# Altium PCB Fumsat Ekteshafi PCB.PcbDoc (part 1 of 2)
Units mm, origin at the board's own origin, x right, y up, seen from the top; angles counter-clockwise.
Board outline 60.2 x 90.04 mm, 2 copper layers (Top Layer, Bottom Layer), stack 1.671 mm thick; 122 components, 180 nets, 669 pads, 158 vias.
Unrouted connection lines stored in the file: 251.
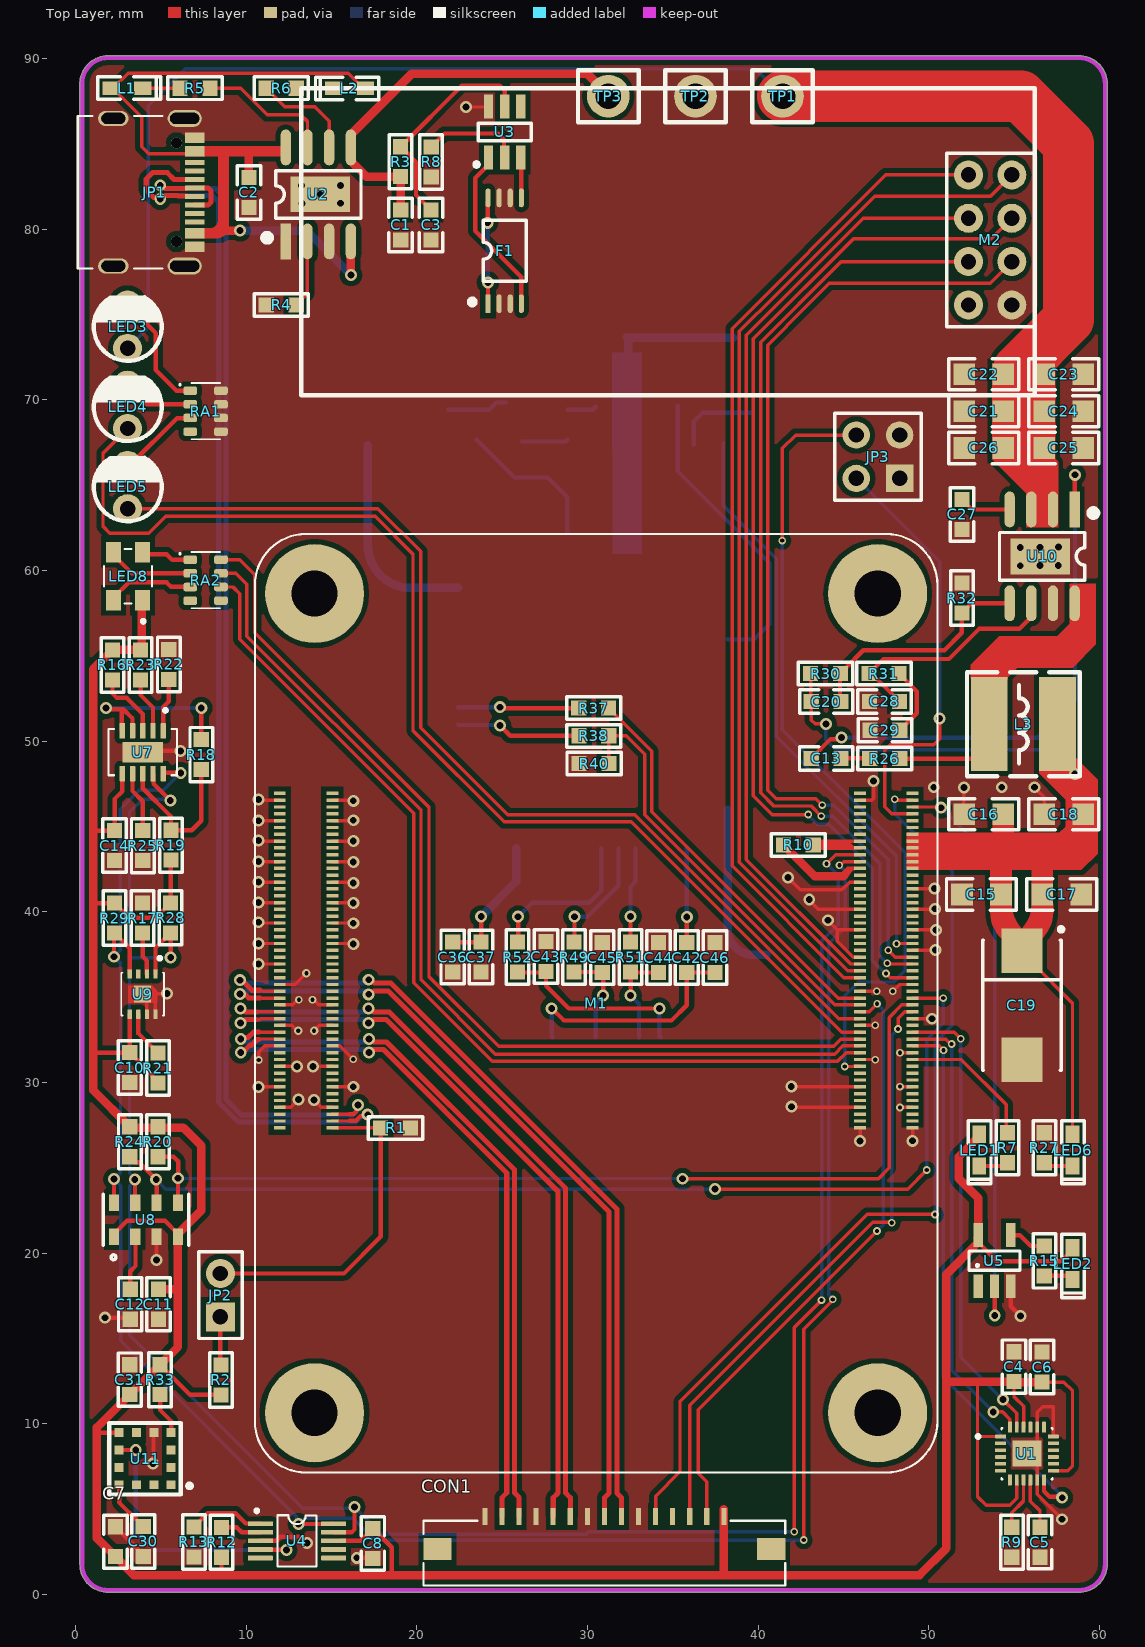
[diagram p0: Top Layer view]
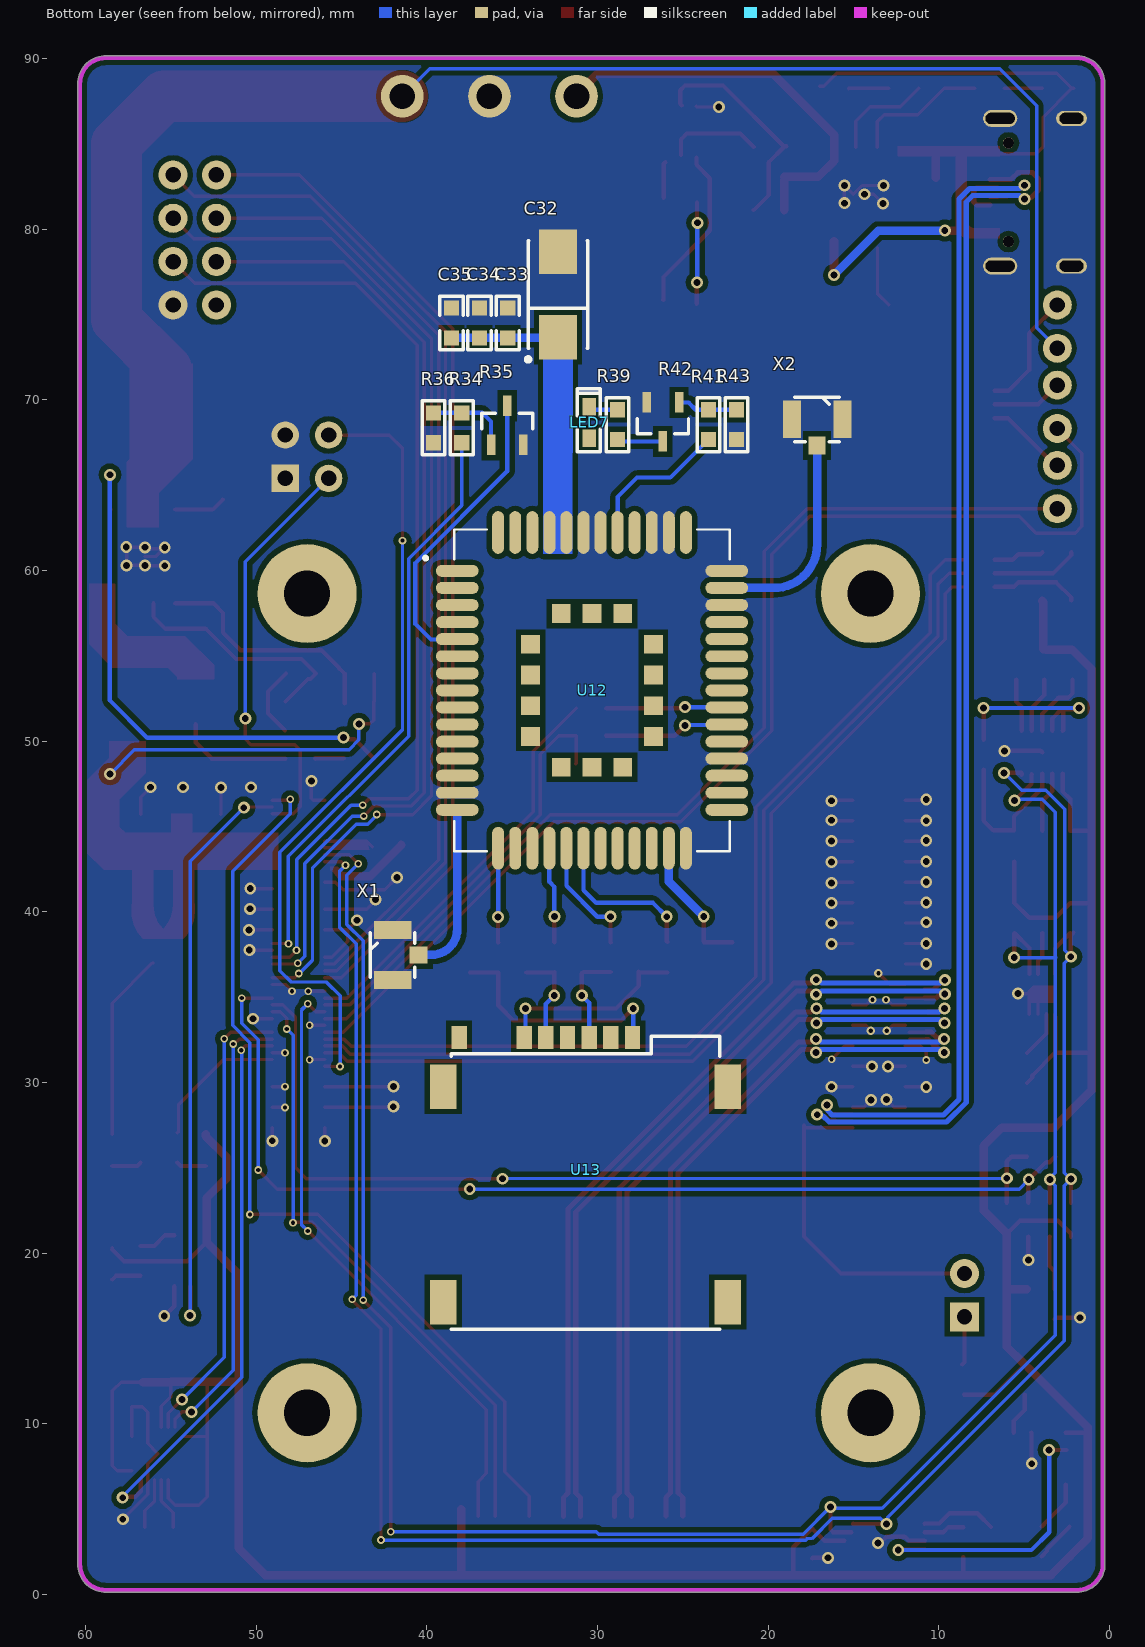
[diagram p1: Bottom Layer view, seen from below]

## Layer stack, top to bottom
Top Solder: solder mask 0.0102, Solder Resist, Dk 3.5
Top Layer: signal copper 0.0356
Dielectric 1: dielectric 1.6, FR-4, Dk 4.8
Bottom Layer: signal copper 0.0356
Bottom Solder: solder mask 0.0102, Solder Resist, Dk 3.5

## Board outline
0.254,1.778 0.254,88.646 0.263,88.694 cw(c1.905,88.519) 1.73,90.161 1.778,90.17 58.801,90.17 cw(c58.801,88.519) 60.452,88.519 60.452,1.778 cw(c58.801,1.778) 58.801,0.127 1.905,0.127 cw(c1.905,1.778)

## Design rules (kind name [scope] priority, off if disabled: settings)
Clearance Clearance_1 [InNamedPolygon('GND_L01_P000') Or InNamedPolygon('GND_L02_P001')] p1: gap=0.3 ignorepadtopadclearanceinfootprint=FALSE
Clearance [All] p2: gap=0.15 ignorepadtopadclearanceinfootprint=FALSE
ComponentClearance [All] p1: gap=0 collisioncheckmode=3 verticalgap=0 showdistances=FALSE
DiffPairsRouting 100ohm [InDifferentialPairClass('100')] p1: maxlimit=0.15 minlimit=0.15 mostfreqgap=0.15 toplayer_minwidth=0.3 toplayer_maxwidth=0.3 toplayer_prefwidth=0.3 bottomlayer_minwidth=0.3 bottomlayer_maxwidth=0.3 bottomlayer_prefwidth=0.3 maxuncoupledlength=12.7
DiffPairsRouting 90ohm [InDifferentialPairClass('90')] p2: maxlimit=0.12 minlimit=0.1 mostfreqgap=0.12 toplayer_minwidth=0.254 toplayer_maxwidth=0.3 toplayer_prefwidth=0.3 bottomlayer_minwidth=0.254 bottomlayer_maxwidth=0.3 bottomlayer_prefwidth=0.3 maxuncoupledlength=12.7
DiffPairsRouting [All] p3: maxlimit=0.254 minlimit=0.254 mostfreqgap=0.254 toplayer_minwidth=0.381 toplayer_maxwidth=0.381 toplayer_prefwidth=0.381 bottomlayer_minwidth=0.381 bottomlayer_maxwidth=0.381 bottomlayer_prefwidth=0.381 maxuncoupledlength=12.7
PolygonConnect PolygonConnect_1 [All vs IsNamedPolygon('GND_L01_P000') Or IsNamedPolygon('GND_L02_P001')] p1: connectstyle=Direct reliefconductorwidth=0.254 reliefentries=4 polygonreliefangle="90 Angle" airgapwidth=0.254
PolygonConnect [All] p2: connectstyle=Relief reliefconductorwidth=0.254 reliefentries=4 polygonreliefangle="90 Angle" airgapwidth=0.254
RoutingVias [All] p1: holewidth=0.4 width=0.7 viastyle="Through Hole" minholewidth=0.25 minwidth=0.45 maxholewidth=0.4 maxwidth=0.7
SolderMaskExpansion [All] p1: expansion=0.102 istentingtop=FALSE
Width [All] p1: maxlimit=3 minlimit=0.2 preferedwidth=0.254
28 further rules are at their usual default settings.

## Classes and differential pairs
differential pair USB2: +USB2_P -USB2_N
differential pair CAM_D1: +CAM_D1_P -CAM_D1_N
differential pair CAM_D0: +CAM_D0_P -CAM_D0_N
differential pair CAM_CK: +CAM_CK_P -CAM_CK_N

## Components (designator, comment, footprint, x,y, rotation, side; value= is the part's Value field where it differs from the comment)
C1 "10uF" "C 0603" 19.05,80.264 r90 top
C2 "10uF" "C 0603" 10.16,82.169 r90 top
C3 "100nF" "C 0603" 20.828,80.264 r90 top
C4 "100nF" "C 0603" 54.991,13.36 r90 top
C5 "100nF" "C 0603" 56.515,3.048 r270 top
C6 "10nF" "C 0603" 56.642,13.335 r90 top
C7 "1uF" "C 0603" 2.332,3.104 r90 top
C8 "1uF" "C 0603" 17.418,3.003 r90 top
C10 "100nF" "C 0603" 3.175,30.861 r270 top
C11 "100nF" "C 0603" 4.851,17.018 r90 top
C12 "100nF" "C 0603" 3.2,17.018 r90 top
C13 "100nF" "C 0603" 43.972,48.994 r180 top
C14 "100nF" "C 0603" 2.286,43.87 r270 top
C15 "10uF" "C 0805" 53.086,41.021 r180 top
C16 "10uF" "C 0805" 53.213,45.72 r180 top
C17 "10uF" "C 0805" 57.785,41.021 r0 top
C18 "10uF" "C 0805" 57.912,45.72 r180 top
C19 "100uF" "CD D(7343)" 55.45,34.527 r270 top
C20 "nF" "C 0603" 44,52.32 r0 top
C21 "10uF" "C 0805" 53.213,69.342 r180 top
C22 "10uF" "C 0805" 53.213,71.501 r180 top
C23 "10uF" "C 0805" 57.912,71.501 r0 top
C24 "10uF" "C 0805" 57.912,69.342 r0 top
C25 "10uF" "C 0805" 57.912,67.183 r0 top
C26 "10uF" "C 0805" 53.213,67.183 r180 top
C27 "100nF" "C 0603" 51.946,63.279 r270 top
C28 "nF" "C 0603" 47.391,52.329 r180 top
C29 "1.2nF" "C 0603" 47.412,50.644 r180 top
C30 "1nF" "C 0603" 3.965,3.116 r90 top
C31 "100nF" "C 0603" 3.175,12.573 r270 top
C32 "100uF" "CD C(6032)" 32.307,76.176 r90 bottom
C33 "100nF" "C 0603" 35.251,74.525 r90 bottom
C34 "10pF" "C 0603" 36.902,74.525 r90 bottom
C35 "33pF" "C 0603" 38.553,74.525 r90 bottom
C36 "10Uf" "C 0603" 22.098,37.338 r270 top
C37 "100nF" "C 0603" 23.749,37.338 r270 top
C42 "100nF" "C 0603" 35.814,37.338 r90 top
C43 "33pF" "C 0603" 27.566,37.39 r90 top
C44 "33pF" "C 0603" 34.163,37.338 r90 top
C45 "33pF" "C 0603" 30.861,37.338 r90 top
C46 "33pF" "C 0603" 37.465,37.338 r90 top
CON1 "FFC" FFC_0.5_15 30.48,2.667 r0 top
F1 "FS8205A" SSOP8_L 25.146,78.74 r90 top
JP1 "USB-C" USB-C-RIGHT 3.048,82.423 r270 top
JP2 "HDR-1X2" HDR-1X2 8.487,16.267 r90 top
JP3 "Header2X2" HDR-2X2 48.289,65.401 r90 top
L1 "LED-SMD" "LED 0603R" 3.01,88.265 r0 top
L2 "LED-SMD" "LED 0603R" 16.04,88.265 r180 top
L3 "?uH" CD53 55.537,51.002 r0 top
LED1 "LED-SMD" "LED 0603Y" 52.959,26.035 r270 top
LED2 "LED-SMD" "LED 0603R" 58.42,19.38 r270 top
LED3 "红色" "LED 3MM-B" 3.048,74.295 r90 top
LED4 "红色" "LED 3MM-B" 3.048,69.596 r90 top
LED5 "红色" "LED 3MM-B" 3.048,64.897 r90 top
LED6 "LED-SMD" "LED 0603R" 58.42,26.035 r270 top
LED7 "LED-SMD" "LED 0603Y" 30.48,68.678 r90 bottom
LED8 "LED RGB_A" RGB-3528-A 3.048,59.69 r90 top
M1 "RPI CM4" CM4 30.734,34.671 r270 top
M2 "E01-ML01DP5" E01-ML01DP5 40.869,69.266 r0 top
R1 "10K" "R 0603" 18.735,27.342 r180 top
R2 "10K" "R 0603" 8.513,12.582 r90 top
R3 "100R" "R 0603" 19.05,83.947 r270 top
R4 "2K" "R 0603" 12.065,75.565 r0 top
R5 "1K" "R 0603" 6.985,88.265 r180 top
R6 "1K" "R 0603" 12.065,88.265 r0 top
R7 "1K" "R 0603" 54.61,26.162 r270 top
R8 "100R" "R 0603" 20.839,83.931 r270 top
R9 "10K" "R 0603" 54.864,3.073 r90 top
R10 "1K" "R 0603" 42.343,43.923 r180 top
R12 "10K" "R 0603" 8.555,3.065 r90 top
R13 "10K" "R 0603" 6.931,3.087 r90 top
R15 "1K" "R 0603" 56.769,19.558 r90 top
R16 "10K" "R 0603" 2.159,54.458 r270 top
R17 "10K" "R 0603" 3.931,39.624 r270 top
R18 "10K" "R 0603" 7.366,49.229 r90 top
R19 "10K" "R 0603" 5.588,43.895 r270 top
R20 "10K" "R 0603" 4.826,26.543 r90 top
R21 "10K" "R 0603" 4.826,30.861 r90 top
R22 "10K" "R 0603" 5.461,54.483 r270 top
R23 "10K" "R 0603" 3.81,54.483 r90 top
R24 "10K" "R 0603" 3.175,26.543 r90 top
R25 "10K" "R 0603" 3.937,43.87 r270 top
R26 "10R" "R 0603" 47.404,48.978 r180 top
R27 "1K" "R 0603" 56.769,26.162 r270 top
R28 "10K" "R 0603" 5.568,39.634 r270 top
R29 "10K" "R 0603" 2.286,39.624 r270 top
R30 "12K" "R 0603" 43.959,53.965 r0 top
R31 "20K" "R 0603" 47.385,53.966 r0 top
R32 "2.2K" "R 0603" 51.935,58.404 r90 top
R33 "10K" "R 0603" 4.953,12.573 r270 top
R34 "1K" "R 0603" 37.948,68.378 r90 bottom
R35 "SS8050" SOT23-3N 35.281,68.521 r180 bottom
R36 "10K" "R 0603" 39.599,68.378 r90 bottom
R37 "1K" "R 0603" 30.374,51.941 r0 top
R38 "1K" "R 0603" 30.382,50.316 r0 top
R39 "1K" "R 0603" 28.829,68.539 r270 bottom
R40 "5.6K" "R 0603" 30.397,48.69 r0 top
R41 "1K" "R 0603" 23.495,68.564 r90 bottom
R42 "SS8050" SOT23-3N 26.162,68.707 r0 bottom
R43 "10K" "R 0603" 21.844,68.564 r90 bottom
R49 "22R" "R 0603" 29.21,37.338 r270 top
R51 "22R" "R 0603" 32.512,37.338 r270 top
R52 "22R" "R 0603" 25.902,37.341 r270 top
RA1 "1K" "RA1206 (4x0603)" 7.62,69.342 r0 top
RA2 "1K" "RA1206 (4x0603)" 7.62,59.436 r0 top
TP1 "Test Point" TEST_POINT_40MIL_R 41.429,87.797 r0 top
TP2 "Test Point" TEST_POINT_40MIL_R 36.325,87.797 r0 top
TP3 "Test Point" TEST_POINT_40MIL_R 31.221,87.797 r0 top
U1 "MPU9250" QFN40-25N 55.55,8.966 r0 top
U2 "TP4056" SOP8_M-EP 14.224,82.042 r90 top
U3 "WD01" SOT23-6M 25.146,85.701 r0 top
U4 "ADS1115" VSSOP10-N 12.975,3.14 r0 top
U5 "SN74LVC1G17DBVT" SOT23-5M 53.848,19.558 r0 top
U7 "CCS811" CCS811 3.683,49.356 r270 top
U8 "MPL3115" MPL3115 4.086,21.971 r90 top
U9 "SHT35" SHT35 3.937,35.179 r270 top
U10 "AP64501SP-13" SOP8_M-EP 56.642,60.833 r270 top
U11 "ML8511" ML8511 4.151,7.94 r0 top
U12 "Quectel MC60" "Quectel MC60" 30.339,52.98 r180 bottom
U13 "SIMcard" SIMcard_6pin_1 30.746,24.373 r180 bottom
X1 "u.Fl" "u.Fl 3P" 42.001,37.47 r90 bottom
X2 "u.Fl" "u.Fl 3P" 17.122,68.855 r180 bottom

## Footprints (in the part's own frame and the unit in brackets; to place one, negate y for a bottom-side part, rotate by r counter-clockwise, add the part's x,y. Pads: shape width x height; smd on the part's side, far side on the other; paste and mask are expansions set on the pad)
"C 0603" [mil] "ï¿½Þ¼ï¿½ï¿½ï¿½ï¿½ï¿½Æ¬ï¿½ï¿½ï¿½ï¿½"
  rect 35x35 smd: 1(-35,0) 2(34,0)
  silkscreen extent -62,-27 61,27, body extent -31,-16 31,16, height 32
"C 0805" [mil] "ï¿½Þ¼ï¿½ï¿½ï¿½ï¿½ï¿½Æ¬ï¿½ï¿½ï¿½ï¿½"
  rect 50x50 smd: 1(-45,0) 2(45,0)
  silkscreen extent -81,-36 81,36, body extent -39,-24 39,24, height 20
CCS811 [mm]
  rrect25% 0.91x0.32 smd: 1(-1.25,1.454) 2(-1.25,0.854) 3(-1.25,0.254) 4(-1.25,-0.346) 5(-1.25,-0.946) 6(1.25,-0.946) 7(1.25,-0.346) 8(1.25,0.254) 9(1.25,0.854) 10(1.25,1.454)
  rect 1.2x2.4 smd paste-2: 11(0,0.254)
  silkscreen extent -2.55,-1.75 1.35,2.25, body extent -1.35,-1.75 1.35,2.25, height 1.1
CD53 [mm] "5.8*5.2*3.5mm£¨³¤¿í¸ß£©"
  rect 2.15x5.5 smd: 1(-2,0) 2(2,0)
  silkscreen extent -3.3,-3.05 3.3,3.05, body extent -2.87,-2.5 2.87,2.5, height 3.6
"CD C(6032)" [mm] "Capacitor, SM Tantalum; Body 6.0 x 3.2 mm (LxW typ)"
  rect 2.6x2.2 smd: 1(-2.5,0) 2(2.5,0)
  silkscreen extent -3.92,-1.75 3.15,1.88, body extent -3,-1.1 3,1.1, height 1.25
"CD D(7343)" [mm] "Capacitor, SM Tantalum; Body 7.3 x 4.3 mm (LxW typ)"
  rect 2.6x2.4 smd: 1(-3.2,0) 2(3.2,0)
  silkscreen extent -4.57,-2.3 3.8,2.43, body extent -3.65,-2.15 3.65,2.15, height 2.8
CM4 [mm]
  rect 0.2x0.7 smd: 1(7.325,18.311) 2(7.325,15.231) 3(6.925,18.311) 4(6.925,15.231) 5(6.525,18.311) 6(6.525,15.231) 7(6.125,18.311) 8(6.125,15.231) 9(5.725,18.311) 10(5.725,15.231) 11(5.325,18.311) 12(5.325,15.231) 13(4.925,18.311) 14(4.925,15.231) 15(4.525,18.311) 16(4.525,15.231) 17(4.125,18.311) 18(4.125,15.231) 19(3.725,18.311) 20(3.725,15.231) 21(3.325,18.311) 22(3.325,15.231) 23(2.925,18.311) 24(2.925,15.231) 25(2.525,18.311) 26(2.525,15.231) 27(2.125,18.311) 28(2.125,15.231) 29(1.725,18.311) 30(1.725,15.231) 31(1.325,18.311) 32(1.325,15.231) 33(0.925,18.311) 34(0.925,15.231) 35(0.525,18.311) 36(0.525,15.231) 37(0.125,18.311) 38(0.125,15.231) 39(-0.275,18.311) 40(-0.275,15.231) 41(-0.675,18.311) 42(-0.675,15.231) 43(-1.075,18.311) 44(-1.075,15.231) 45(-1.475,18.311) 46(-1.475,15.231) 47(-1.875,18.311) 48(-1.875,15.231) 49(-2.275,18.311) 50(-2.275,15.231) 51(-2.675,18.311) 52(-2.675,15.231) 53(-3.075,18.311) 54(-3.075,15.231) 55(-3.475,18.311) 56(-3.475,15.231) 57(-3.875,18.311) 58(-3.875,15.231) 59(-4.275,18.311) 60(-4.275,15.231) 61(-4.675,18.311) 62(-4.675,15.231) 63(-5.075,18.311) 64(-5.075,15.231) 65(-5.475,18.311) 66(-5.475,15.231) 67(-5.875,18.311) 68(-5.875,15.231) 69(-6.275,18.311) 70(-6.275,15.231) 71(-6.675,18.311) 72(-6.675,15.231) 73(-7.075,18.311) 74(-7.075,15.231) 75(-7.475,18.311) 76(-7.475,15.231) 77(-7.875,18.311) 78(-7.875,15.231) 79(-8.275,18.311) 80(-8.275,15.231) 81(-8.675,18.311) 82(-8.675,15.231) 83(-9.075,18.311) 84(-9.075,15.231) 85(-9.475,18.311) 86(-9.475,15.231) 87(-9.875,18.311) 88(-9.875,15.231) 89(-10.275,18.311) 90(-10.275,15.231) 91(-10.675,18.311) 92(-10.675,15.231) 93(-11.075,18.311) 94(-11.075,15.231) 95(-11.475,18.311) 96(-11.475,15.231) 97(-11.875,18.311) 98(-11.875,15.231) 99(-12.275,18.311) 100(-12.275,15.231) 101(7.325,-15.689) 102(7.325,-18.769) 103(6.925,-15.689) 104(6.925,-18.769) 105(6.525,-15.689) 106(6.525,-18.769) 107(6.125,-15.689) 108(6.125,-18.769) 109(5.725,-15.689) 110(5.725,-18.769) 111(5.325,-15.689) 112(5.325,-18.769) 113(4.925,-15.689) 114(4.925,-18.769) 115(4.525,-15.689) 116(4.525,-18.769) 117(4.125,-15.689) 118(4.125,-18.769) 119(3.725,-15.689) 120(3.725,-18.769) 121(3.325,-15.689) 122(3.325,-18.769) 123(2.925,-15.689) 124(2.925,-18.769) 125(2.525,-15.689) 126(2.525,-18.769) 127(2.125,-15.689) 128(2.125,-18.769) 129(1.725,-15.689) 130(1.725,-18.769) 131(1.325,-15.689) 132(1.325,-18.769) 133(0.925,-15.689) 134(0.925,-18.769) 135(0.525,-15.689) 136(0.525,-18.769) 137(0.125,-15.689) 138(0.125,-18.769) 139(-0.275,-15.689) 140(-0.275,-18.769) 141(-0.675,-15.689) 142(-0.675,-18.769) 143(-1.075,-15.689) 144(-1.075,-18.769) 145(-1.475,-15.689) 146(-1.475,-18.769) 147(-1.875,-15.689) 148(-1.875,-18.769) 149(-2.275,-15.689) 150(-2.275,-18.769) 151(-2.675,-15.689) 152(-2.675,-18.769) 153(-3.075,-15.689) 154(-3.075,-18.769) 155(-3.475,-15.689) 156(-3.475,-18.769) 157(-3.875,-15.689) 158(-3.875,-18.769) 159(-4.275,-15.689) 160(-4.275,-18.769) 161(-4.675,-15.689) 162(-4.675,-18.769) 163(-5.075,-15.689) 164(-5.075,-18.769) 165(-5.475,-15.689) 166(-5.475,-18.769) 167(-5.875,-15.689) 168(-5.875,-18.769) 169(-6.275,-15.689) 170(-6.275,-18.769) 171(-6.675,-15.689) 172(-6.675,-18.769) 173(-7.075,-15.689) 174(-7.075,-18.769) 175(-7.475,-15.689) 176(-7.475,-18.769) 177(-7.875,-15.689) 178(-7.875,-18.769) 179(-8.275,-15.689) 180(-8.275,-18.769) 181(-8.675,-15.689) 182(-8.675,-18.769) 183(-9.075,-15.689) 184(-9.075,-18.769) 185(-9.475,-15.689) 186(-9.475,-18.769) 187(-9.875,-15.689) 188(-9.875,-18.769) 189(-10.275,-15.689) 190(-10.275,-18.769) 191(-10.675,-15.689) 192(-10.675,-18.769) 193(-11.075,-15.689) 194(-11.075,-18.769) 195(-11.475,-15.689) 196(-11.475,-18.769) 197(-11.875,-15.689) 198(-11.875,-18.769) 199(-12.275,-15.689) 200(-12.275,-18.769)
  round 5.8 hole 2.7: S1(-23.975,16.271) S2(24.025,16.271) S3(-23.975,-16.729) S4(24.025,-16.729)
  silkscreen extent -27.47,-20.23 27.53,19.77, body extent -27.46,-20.19 27.54,19.81, height 5.65
E01-ML01DP5 [mm]
  round 1.7 hole 0.9: 1(13.995,6.299) 2(13.995,8.839) 3(13.995,11.379) 4(13.995,13.919) 5(11.455,13.919) 6(11.455,11.379) 7(11.455,8.839) 8(11.455,6.299)
  silkscreen extent -27.64,1.02 15.37,19, body extent -27.58,1.02 15.47,19.07, height 12.65
FFC_0.5_15 [mm]
  rect 0.3x1 smd: 1(-6.492,1.9) 2(-5.492,1.9) 3(-4.492,1.9) 4(-3.492,1.9) 5(-2.492,1.9) 6(-1.492,1.9) 7(-0.492,1.9) 8(0.508,1.9) 9(1.508,1.9) 10(2.508,1.9) 11(3.508,1.9) 12(4.508,1.9) 13(5.508,1.9) 14(6.508,1.9) 15(7.508,1.9)
  rect 1.65x1.3 smd: Z1(-9.267,0) Z2(10.283,0)
  silkscreen extent -10.09,-2.15 11.11,1.65, body extent -10.22,-2.07 10.98,2.18, height 1.25
HDR-1X2 [mm] "ï¿½ï¿½ï¿½ë£¬2ï¿½ï¿½"
  rect 1.7x1.7 hole 0.9: 1(0,0)
  round 1.7 hole 0.9: 2(2.54,0)
  silkscreen extent -1.27,-1.27 3.81,1.27, body extent -1.27,-1.27 3.81,1.27, height 8.5
HDR-2X2 [mm] "Ë«ï¿½ï¿½ï¿½ï¿½ï¿½ë£¬2x2ï¿½ï¿½"
  rect 1.6x1.6 hole 0.9: 1(0,0)
  round 1.6 hole 0.9: 2(0,2.54) 3(2.54,0) 4(2.54,2.54)
  silkscreen extent -1.27,-1.27 3.81,3.81, body extent -1.27,-1.27 3.81,3.81, height 8.5
"LED 3MM-B" [mm] "ï¿½ï¿½É«3mmÖ±ï¿½ï¿½LED"
  round 1.7 hole 0.9: 1(-1.27,0) 2(1.27,0)
  silkscreen extent -2.01,-2 1.72,1.98, body extent -1.95,-1.95 1.64,1.95, height 5.55
"LED 0603R" [mm] "ï¿½ï¿½É«0603LED"
  rect 1.016x0.8 smd: 1(-0.927,0) 2(0.927,0)
  silkscreen extent -1.71,-0.63 1.98,0.69, body extent -0.8,-0.4 0.8,0.4, height 0.61
"LED 0603Y" [mm] "ï¿½ï¿½É«0603LED"
  rect 1.016x0.8 smd: 1(-0.927,0) 2(0.927,0)
  silkscreen extent -1.71,-0.63 1.98,0.69, body extent -0.8,-0.41 0.8,0.4, height 0.61
ML8511 [mm]
  rect 0.525x0.525 smd: 1(1.448,-1.511) 2(1.448,-0.495) 3(1.448,0.521) 4(1.448,1.537) 5(0.432,1.537) 6(-0.584,1.537) 7(-1.6,1.537) 8(-1.6,0.521) 9(-1.6,-0.495) 10(-1.6,-1.511) 11(-0.584,-1.511) 12(0.432,-1.511)
  silkscreen extent -2.17,-2.08 2.65,2.11
MPL3115 [mm]
  rect 0.95x0.6 smd: 1(-1.013,1.837) 2(-1.013,0.587) 3(-1.013,-0.663) 4(-1.013,-1.913) 5(0.987,-1.913) 6(0.987,-0.663) 7(0.987,0.587) 8(0.987,1.837)
  silkscreen extent -2.35,-2.54 1.49,2.46, body extent -1.51,-2.53 1.49,2.47, height 1.2
QFN40-25N [mm]
  rrect25% 0.64x0.22 smd: 1(-1.342,0.289) 2(-1.342,-0.111) 3(-1.342,-0.511) 4(-1.342,-0.911) 5(-1.342,-1.311) 6(-1.342,-1.711) 13(1.748,-1.711) 14(1.748,-1.311) 15(1.748,-0.911) 16(1.748,-0.511) 17(1.748,-0.111) 18(1.748,0.289)
  rrect25% 0.22x0.64 smd: 7(-0.797,-2.256) 8(-0.397,-2.256) 9(0.003,-2.256) 10(0.403,-2.256) 11(0.803,-2.256) 12(1.203,-2.256) 19(1.203,0.834) 20(0.803,0.834) 21(0.403,0.834) 22(0.003,0.834) 23(-0.397,0.834) 24(-0.797,0.834)
  rect 1.7x1.54 smd paste-2: 25(0.203,-0.711)
  silkscreen extent -2.76,-2.21 1.7,0.79, body extent -1.3,-2.21 1.7,0.79, height 1
"Quectel MC60" [mm]
  oval 2.5x0.7 smd paste-2: 1(-7.875,7) 2(-7.875,6) 3(-7.875,5) 4(-7.875,4) 5(-7.875,3) 6(-7.875,2) 7(-7.875,1) 8(-7.875,0) 9(-7.875,-1) 10(-7.875,-2) 11(-7.875,-3) 12(-7.875,-4) 13(-7.875,-5) 14(-7.875,-6) 15(-7.875,-7) 28(7.925,-7) 29(7.925,-6) 30(7.925,-5) 31(7.925,-4) 32(7.925,-3) 33(7.925,-2) 34(7.925,-1) 35(7.925,0) 36(7.925,1) 37(7.925,2) 38(7.925,3) 39(7.925,4) 40(7.925,5) 41(7.925,6) 42(7.925,7)
  oval 0.7x2.5 smd paste-2: 16(-5.475,-9.25) 17(-4.475,-9.25) 18(-3.475,-9.25) 19(-2.475,-9.25) 20(-1.475,-9.25) 21(-0.475,-9.25) 22(0.525,-9.25) 23(1.525,-9.25) 24(2.525,-9.25) 25(3.525,-9.25) 26(4.525,-9.25) 27(5.525,-9.25) 43(5.525,9.25) 44(4.525,9.25) 45(3.525,9.25) 46(2.525,9.25) 47(1.525,9.25) 48(0.525,9.25) 49(-0.475,9.25) 50(-1.475,9.25) 51(-2.475,9.25) 52(-3.475,9.25) 53(-4.475,9.25) 54(-5.475,9.25)
  rect 1.1x1.1 smd paste-0.09: 55(-3.575,2.7) 56(-3.575,0.9) 57(-3.575,-0.9) 58(-3.575,-2.7) 59(-1.775,-4.5) 60(0.025,-4.5) 61(1.825,-4.5) 62(3.625,-2.7) 63(3.625,-0.9) 64(3.625,0.9) 65(3.625,2.7) 66(1.825,4.5) 67(0.025,4.5) 68(-1.775,4.5)
  silkscreen extent -9.82,-9.43 8.1,9.43, body extent -7.98,-9.43 8.02,9.27, height 2.2
"R 0603" [mil] "1/10Wï¿½ï¿½Æ¬ï¿½ï¿½ï¿½ï¿½"
  rect 35x35 smd: 1(-35,0) 2(34,0)
  silkscreen extent -63,-26 62,26, body extent -31,-16 32,16, height 16
"RA1206 (4x0603)" [mm]
  rrect50% 0.8x0.5 smd: 1(-0.9,1.2) 2(-0.9,0.4) 3(-0.9,-0.4) 4(-0.9,-1.2) 5(0.9,-1.2) 6(0.9,-0.4) 7(0.9,0.4) 8(0.9,1.2)
  silkscreen extent -1.55,-1.65 0.85,1.65, body extent -0.8,-1.6 0.8,1.6, height 0.5
RGB-3528-A [mm]
  rect 1.2x0.9 smd: 1(1.375,0.825) 2(1.375,-0.875) 3(-1.425,-0.875) 4(-1.425,0.825)
  silkscreen extent -2.77,-1.43 1.57,1.37, body extent -1.8,-1.45 1.7,1.35, height 2.1
SHT35 [mm]
  rrect50% 0.55x0.25 smd mask+0: 1(-1.178,0.743)
  rrect20% 0.55x0.25 smd mask+0: 2(-1.178,0.243) 3(-1.178,-0.257) 4(-1.178,-0.757) 5(1.172,-0.757) 6(1.172,-0.257) 7(1.172,0.243) 8(1.172,0.743)
  rect 1x1 smd paste-1 mask+0: 9(-0.003,-0.007)
  Top Layer region: 0.497,-0.857 -0.503,-0.857 -0.503,0.543 -0.203,0.843 0.497,0.843
  silkscreen extent -2.2,-1.26 1.25,1.24, body extent -1.25,-1.26 1.25,1.24, height 0.9
SIMcard_6pin_1 [mm]
  rect 1.56x2.61 smd: 1(-8.289,5.391) 2(-8.289,-7.239) 3(8.391,-7.239) 4(8.391,5.391)
  rect 0.9x1.35 smd: C1(2.806,8.266) C2(0.266,8.266) C3(-2.274,8.266) C5(1.536,8.266) C6(-1.004,8.266) C7(-3.544,8.266) CD(-7.354,8.266)
  silkscreen extent -7.82,-8.84 7.93,8.33, body extent -8.32,-8.87 8.43,8.46, height 1.5
SOP8_M-EP [mm] "5*6*1.8mm£¨³¤¿í¸ß£©"
  rect 2.1x0.6 smd: 1(-2.75,1.905)
  oval 2.1x0.6 smd: 2(-2.75,0.635) 3(-2.75,-0.635) 4(-2.75,-1.905) 5(2.75,-1.905) 6(2.75,-0.635) 7(2.75,0.635) 8(2.75,1.905)
  rect 2.1x3.5 smd: 9(0.01,-0.113)
  silkscreen extent -2.69,-2.5 1.4,3.15, body extent -3,-2.5 3,2.5, height 1.9
SOT23-3N [mm] "3x1.3x1mm(ï¿½ï¿½ï¿½ï¿½ï¿½)"
  rect 0.5x1.2 smd: 1(-0.95,-1.143) 2(0.95,-1.143) 3(0,1.143)
  silkscreen extent -1.5,-0.2 1.5,0.7, body extent -1.5,-1.2 1.5,1.2, height 1.05
SOT23-5M [mm] "3x1.6x1.1mm(ï¿½ï¿½ï¿½ï¿½ï¿½)"
  rect 0.55x1.4 smd: 1(-0.95,-1.5) 2(0,-1.5) 3(0.95,-1.5) 4(0.95,1.5) 5(-0.95,1.5)
  silkscreen extent -1.5,-0.56 1.5,0.56, body extent -1.5,-1.4 1.5,1.4, height 1.15
SOT23-6M [mm] "3x1.6x1.1mm(ï¿½ï¿½ï¿½ï¿½ï¿½)"
  rect 0.55x1.4 smd: 1(-0.95,-1.5) 2(0,-1.5) 3(0.95,-1.5) 4(0.95,1.5) 5(0,1.5) 6(-0.95,1.5)
  silkscreen extent -1.78,-2.03 1.55,0.51, body extent -1.5,-1.4 1.5,1.4, height 1.15
SSOP8_L [mm] "3*6.4*1.2mm£¨³¤¿í¸ß£©"
  rect 1.1x0.3 smd: 1(-3.1,0.975)
  oval 1.1x0.3 smd: 2(-3.1,0.325) 3(-3.1,-0.325) 4(-3.1,-0.975) 5(3.1,-0.975) 6(3.1,-0.325) 7(3.1,0.325) 8(3.1,0.975)
  silkscreen extent -3.13,-1.27 1.78,2.03, body extent -3.2,-1.75 3.2,1.75, height 1.25
TEST_POINT_40MIL_R [mm]
  round 2.5 hole 1.5: 1(0,0)
  silkscreen extent -1.78,-1.52 1.78,1.52, body extent -1.67,-1.4 1.67,1.4, height 5.41
"u.Fl 3P" [mm]
  rect 1.05x2.2 smd: G(-1.475,0) G(1.475,0)
  rect 1x1.05 smd: S(0,-1.525)
  silkscreen extent -1.3,-1.3 1.3,1.3, body extent -1.5,-1.55 1.5,1.55, height 1.23
USB-C-RIGHT [mm]
  rect 0.3x1.14 smd: A1(-3.096,3.937) A4(-2.296,3.937) A5(-0.996,3.937) A6(0.004,3.937) A7(0.504,3.937) A8(1.504,3.937) A9(2.804,3.937) A12(3.604,3.937) B1(3.304,3.937) B4(2.504,3.937) B5(2.004,3.937) B6(1.004,3.937) B7(-0.496,3.937) B8(-1.496,3.937) B9(-1.996,3.937) B12(-2.796,3.937)
  oval 1x2 hole 0.65 slot 1.72 at 90 deg: S1(-4.071,3.347) S2(4.579,3.347)
  oval 0.9x1.8 hole 0.65 slot 1.4 at 90 deg: S3(-4.071,-0.833) S4(4.579,-0.833)
  round 0.65 hole 0.65 unplated: ""(-2.636,2.867) ""(3.144,2.867)
  silkscreen extent -4.22,-2.92 4.72,2.03, body extent -4.22,-3.36 4.72,4.39, height 3.26
VSSOP10-N [mm] "1.1 mm max height"
  rrect25% 1.47x0.28 smd: 1(-2.15,1) 2(-2.15,0.5) 3(-2.15,0) 4(-2.15,-0.5) 5(-2.15,-1) 6(2.15,-1) 7(2.15,-0.5) 8(2.15,0) 9(2.15,0.5) 10(2.15,1)
  silkscreen extent -2.46,-1.5 1.14,1.86, body extent -2.45,-1.5 2.45,1.5, height 1.1

## Part data
C1 C2 C3 C4 C5 C6 C7 C8 C10 C11 C12 C13 C14 C15 C16 C17 C18 C20 C21 C22 C23 C24 C25 C26 C27 C28 C29 C30 C31 C33 C34 C35 C36 C37 C42 C43 C44 C45 C46: library part C, "Non-polar patch capacitor", BOM名称=无极性贴片电容, 学习资源=www.ooocke.com, 版权归属=源创客
C19 C32: library part C-CD, "Solid Tantalum Chip Capacitor, Standard T491 Series - Industrial Grade", PackageDocument=Mar-2001, Code_JEITA=3528-21, ComponentLink1Description="Manufacturer Link", ComponentLink1URL=http://www.kemet.com/, ComponentLink2Description=Datasheet, ComponentLink2URL=http://www.kemet.com/kemet/web/homepage/kechome.nsf/vapubfilesname/F3102TA.pdf/$file/F3102TA.pdf, DatasheetDocument=Mar-2001, LatestRevisionDate=19-Mar-2004, LatestRevisionNote="Silkscreen dimensions re-sized.", PackageReference=B, Published=17-Jul-2002, Publisher="Altium Limited"
CON1: library part FFC_0.5_15
F1: "Dual N-Channel Enhancement Mode Power MOSFET"
JP1: library part USB-C-RIGHT
JP2: library part "Header 2", "2P Connector", BOM名称=2P接插件, 学习资源=www.ooocke.com, 版权归属=源创客
JP3: library part "Header 2X2", "2*2P Connector", BOM名称=2*2P接插件, 学习资源=www.ooocke.com, 版权归属=源创客
L1 L2 LED1 LED2 LED6 LED7: "Patch LED", BOM名称=贴片LED, 学习资源=www.ooocke.com, 版权归属=源创客
L3: library part L-CD, "Chip power inductor", BOM名称=功率电感, 学习资源=www.ooocke.com, 版权归属=源创客
LED3 LED4 LED5: library part LED-3MM, "Plug-in LED", BOM名称=插件LED, 学习资源=www.ooocke.com, 版权归属=源创客
M1: library part CM4
R1 R2 R3 R4 R5 R6 R7 R8 R9 R10 R12 R13 R15 R16 R17 R18 R19 R20 R21 R22 R23 R24 R25 R26 R27 R28 R29 R30 R31 R32 R33 R34 R36 R37 R38 R39 R40 R41 R43 R49 R51 R52: library part R, "Chip resistor", BOM名称="Chip resistor", 学习资源=www.ooocke.com, 版权归属=源创客
R35 R42: library part 8050-SMD, "High frequency amplification-NPN", BOM名称=高频放大-NPN型, 学习资源=www.ooocke.com, 属性="40V 1.5A 1W 100MHZ", 版权归属=源创客
RA1 RA2: library part R-ARR, "4 way Chip Resistor Array"
U2: "Lithium battery charge management", BOM名称=锂电池充电管理, 学习资源=www.ooocke.com, 版权归属=源创客
U3: "Lithium battery overcurrent protection IC", BOM名称=过流保护IC, 学习资源=www.ooocke.com, 版权归属=源创客
U4: "ADS111x Ultra-Small, Low-Power, I / 2C-Compatible, 860-SPS, 16-Bit ADCs / With Internal Reference, Oscillator, and Programmable Comparator", BOM名称=数字电位器, 学习资源=www.ooocke.com, 版权归属=源创客
U5: "Single 1.65-V to 5.5-V buffer with Schmitt-Trigger inputs"
U8: "Pressure Sensor"
U11: "UV Sensor"
U12: library part MC60, "Ultra-small LCC Quad-band GSM/GPRS/GNSS Module"
U13: library part "SIMcard (6pin)"
X1 X2: library part "u.Fl 3P", "RF", Manufacturer="Hirose Electric Co Ltd", Model=U.FL-R-SMT(01)

## Via types
v1: diameter 0.7, hole 0.4, Top Layer to Bottom Layer, tented both sides, 118 vias
v2: diameter 0.45, hole 0.25, Top Layer to Bottom Layer, tented both sides, 37 vias
v3: diameter 0.5, hole 0.25, Top Layer to Bottom Layer, tented both sides, 3 vias

## Nets (pads, with @x,y where several pads share a name; then routed paths per layer and width w, separated by ;. In a path a pad name is that pad's centre, name@x,y a point inside that pad or via, vN(x,y) a via of type N, cw(c..) or ccw(c..) an arc to the next point about the centre after c; other vN are vias at no path point)
1.8V: M1.88 M1.90
3.3V: C4.1 C6.1 C7.1 C8.2 C10.1 C11.2 C14.1 C31.2 C36.1 C37.1 CON1.15 LED1.1 LED2.1 LED7.1 LED8.3 M1.84 M1.86 M2.8 R2.1 R10.1 R12.1 R16.1 R19.2 R20.2 R21.1 R23.2 R24.2 R28.1 R29.1 R33.1 U1.1 U1.8 U1.13 U1.22 U4.8 U5.5 U7.6 U8.1 U8.4 U9.5 U11.7 U12.26 | length 227.3
  Top Layer w0.2: R10.1@43.18,43.815 43.511,44.146 45.166,44.146 ; M1.84@45.965,43.746 45.566,43.746 45.166,44.146 ; M1.86@45.965,44.146 45.166,44.146 ; 51.018,12.493 51.04,12.471 ; 52.852,12.471 52.852,9.241 ; U1.1@54.208,9.255 52.866,9.255 52.852,9.241 ; C4.1@54.991,12.471 54.991,11.595 55.553,11.033 U1.22@55.553,9.8 ; U1.8@55.153,6.71 55.153,5.626 54.746,5.219 53.37,5.219 52.852,5.737 52.852,9.241 ; C6.1@56.642,12.446 57.91,12.446 58.422,11.934 58.422,7.543 58.134,7.255 U1.13@57.298,7.255 ; LED2.1@58.42,20.199 LED2.1@58.42,20.307
  Top Layer w0.254: 1.028,40.513 R29.1@2.286,40.513 3.15,39.649 4.694,39.649 R28.1@5.568,40.523 R19.2@5.568,42.95 ; 1.028,44.759 C14.1@2.286,44.759 2.286,46.609 2.737,47.06 U7.6@2.737,48.106 ; 1.062,31.75 C10.1@3.175,31.75 ; 1.297,9.464 1.31,9.477 U11.7@2.551,9.477 ; U8.1@2.249,20.958 2.249,21.133 3.012,21.896 5.236,21.896 5.977,21.155 U8.4@5.977,21.132 ; U9.5@3.18,34.007 3.18,33.861 3.175,33.856 C10.1@3.175,31.75 ; R21.1@4.826,29.972 4.509,30.289 4.509,30.416 C10.1@3.175,31.75 ; R33.1@4.977,13.569 4.977,13.438 6.722,11.693 R2.1@8.513,11.693 ; R12.1@8.555,2.176 8.555,1.14 8.559,1.136 ; U4.8@15.535,3.141 16.692,3.141 C8.2@17.418,3.867 18.522,2.763 18.522,1.179 ; C36.1@22.098,38.227 C37.1@23.749,38.227 23.768,38.246 v1(23.768,39.732) ; U5.5@52.915,20.616 54.012,19.519 57.74,19.519 LED2.1@58.42,20.199 ; C4.1@54.991,12.471 C4.1@55.016,12.446
  Top Layer w0.5: C31.2@3.093,11.627 1.253,9.787 1.253,3.294 C7.1@2.332,2.215 3.411,1.136 8.559,1.136 49.459,1.136 51.018,2.695 51.018,12.493 51.018,18.753 52.881,20.616 U5.5@52.881,20.889 ; C31.2@3.175,11.709 R33.1@4.733,13.268 ; R24.2@3.175,27.407 1.028,29.554 1.028,40.513 1.028,44.759 1.028,54.036 1.038,54.046 1.038,54.226 R16.1@2.159,55.347 R23.2@3.715,55.347 ; R24.2@3.199,27.354 6.308,27.354 7.36,26.302 7.36,22.494 U8.4@5.999,21.133 ; R23.2@3.867,55.403 3.867,58.166 LED8.3@3.919,58.218 ; C11.2@4.851,17.882 5.801,17.882 ; R33.1@5.018,13.528 5.999,14.508 U8.4@5.999,20.8 ; U8.4@5.999,20.958 U8.4@5.999,21.132 ; 37.93,1.16 37.988,1.218 CON1.15@37.988,4.983 ; 51.04,12.471 C4.1@54.991,12.471 ; U5.5@52.898,21.058 52.898,23.223 51.761,24.36 51.761,25.656 52.959,26.854 LED1.1@52.959,26.962 ; C4.1@55.016,12.446 C6.1@56.642,12.446
  Bottom Layer w0.5: v1(23.768,39.732) 25.814,41.778 U12.26@25.814,43.73
5V: C15.1 C16.1 C17.1 C18.1 C19.1 C20.1 L3.2 LED6.1 M1.77 M1.79 M1.81 M1.83 M1.85 M1.87 R30.1 | length 33
  Top Layer w0.2: C20.1@43.07,52.32 R30.1@43.07,53.965 ; C20.1@43.111,52.32 43.111,51.24 43.339,51.011 v1(43.972,51.011) ; C19.1@56.038,37.005 56.072,37.005 58.42,34.657 LED6.1@58.42,26.962 ; L3.2@57.026,48.748 58.116,48.748 58.512,48.352 58.512,48.115 v1(58.556,48.071)
  Bottom Layer w0.2: v1(43.972,51.011) 43.972,50.077 44.552,49.497 57.13,49.497 v1(58.556,48.071)
5VUSB: C2.2 JP1.A4 JP1.A9 JP1.B4 JP1.B9 L1.1 L2.1 U2.4 U2.8 | length 35.8
  Top Layer w0.2: L1.1@2.083,88.265 L1.1@2.191,88.265 ; JP1.B9@6.841,84.392 6.814,84.419 4.288,84.419 3.879,84.828 3.879,86.577 L1.1@2.191,88.265 ; L2.1@16.971,88.388 16.736,88.388 15.975,89.149 3.075,89.149 L1.1@2.191,88.265
  Top Layer w0.5: 8.567,79.967 8.611,79.923 v1(9.642,79.923) ; 9.407,84.568 10.109,84.568 10.16,84.518 C2.2@10.16,83.033 ; U2.4@16.129,79.292 16.134,79.287 16.134,77.316 v1(16.139,77.311)
  Bottom Layer w0.5: v1(9.642,79.923) 13.527,79.923 v1(16.139,77.311)
ADDR: R13.2 U4.1 | length 4.5
  Top Layer w0.254: R13.2@6.931,3.951 7.738,4.757 9.364,4.757 9.968,4.153 10.817,4.153 U4.1@10.832,4.138
AIN0: M1.96
AIN1: M1.94
ALERT: R12.2 U4.2 | length 2.4
  Top Layer w0.254: R12.2@8.555,3.929 9.446,3.929 9.735,3.64 U4.2@10.825,3.64
BT_nDis: M1.91
CAM_CK_N: CON1.8 M1.140 | length 46.9
  Top Layer w0.2: 10.818,34.953 11.03,34.949 ; 10.963,34.946 M1.140@11.965,34.946
  Top Layer w0.3: v1(9.64,35.195) 9.716,35.119 9.983,35.119 10.148,34.953 10.818,34.953 ; 17.485,35.37 18.304,35.37 31.268,22.406 31.268,5.945 30.993,5.67 CON1.8@30.993,4.567
  Bottom Layer w0.3: v1@9.923,35.37 13.447,35.37 16.869,35.37 17.069,35.17 v1(17.177,35.17)
CAM_CK_P: CON1.9 M1.142 | length 48.2
  Top Layer w0.2: 10.751,35.376 10.999,35.351 ; 10.963,35.346 M1.142@11.965,35.346
  Top Layer w0.3: v1(9.64,35.995) 9.748,35.995 10.34,35.403 10.818,35.403 ; 17.485,35.82 18.49,35.82 31.718,22.592 31.718,5.945 31.993,5.67 CON1.9@31.993,4.567
  Bottom Layer w0.3: v1(9.64,35.995) 9.748,35.995 9.923,35.82 13.634,35.82 16.869,35.82 17.069,36.02 v1(17.177,36.02)
CAM_D0_N: CON1.2 M1.128 | length 41.4
  Top Layer w0.2: 10.702,32.547 M1.128@11.704,32.547
  Top Layer w0.3: v1(9.677,31.754) 9.786,31.754 10.212,32.181 10.294,32.181 10.63,32.517 10.738,32.517 ; v1(17.195,31.754) 17.303,31.754 17.478,31.929 18.037,31.929 25.266,24.7 25.266,5.955 25,5.689 24.997,5.689 CON1.2@24.997,4.586
  Bottom Layer w0.3: v1(9.677,31.754) 9.786,31.754 9.961,31.929 16.912,31.929 17.087,31.754 v1(17.195,31.754)
CAM_D0_P: CON1.3 M1.130 | length 42
  Top Layer w0.2: 10.733,32.95 M1.130@11.735,32.95
  Top Layer w0.3: v1(9.677,32.554) 9.754,32.631 10.107,32.631 10.443,32.967 10.738,32.967 ; v1(17.195,32.554) 17.303,32.554 17.478,32.379 18.224,32.379 25.716,24.887 25.716,5.955 25.982,5.689 25.985,5.689 CON1.3@25.985,4.586
  Bottom Layer w0.3: v1(9.677,32.554) 9.786,32.554 9.961,32.379 16.912,32.379 17.087,32.554 v1(17.195,32.554)
CAM_D1_N: CON1.5 M1.134 | length 43.8
  Top Layer w0.2: 10.612,33.684 10.783,33.684 10.844,33.746 M1.134@11.965,33.746
  Top Layer w0.3: v1(9.666,33.484) 9.774,33.484 9.974,33.684 10.612,33.684 ; 17.472,33.684 18.2,33.684 28.268,23.617 28.268,5.945 27.993,5.67 CON1.5@27.993,4.567
  Bottom Layer w0.3: 9.974,33.684 16.856,33.684 17.056,33.484 v1(17.164,33.484)
CAM_D1_P: CON1.6 M1.136 | length 44.5
  Top Layer w0.2: 10.623,34.146 M1.136@11.965,34.146
  Top Layer w0.3: v1(9.666,34.334) 9.774,34.334 9.974,34.134 10.612,34.134 ; 17.472,34.134 18.387,34.134 28.718,23.803 28.718,5.945 28.993,5.67 CON1.6@28.993,4.567
  Bottom Layer w0.3: 9.974,34.134 16.856,34.134 17.056,34.334 v1(17.164,34.334)
CAM_IO0: CON1.11 M1.97 | length 54
  Top Layer w0.2: CON1.11@33.988,4.567 33.988,5.748 35.417,7.177 35.417,11.296 46.395,22.274 50.349,22.274 v2(50.363,22.26) ; v2(48.003,46.601) 48.07,46.601 48.125,46.546 M1.97@49.045,46.546
  Bottom Layer w0.2: v2(48.003,46.601) 48.003,45.746 51.371,42.378 51.371,33.343 50.363,32.335 v2(50.363,22.26)
CAM_IO1: CON1.12
CAM_SCL: CON1.13 M1.35 | length 35.9
  Top Layer w0.2: CON1.13@35.988,4.567 35.988,11.081 46.706,21.799 47.813,21.799 v2(47.833,21.78) ; v2(48.198,33.139) 48.198,33.764 48.58,34.146 M1.35@49.045,34.146
  Bottom Layer w0.2: v2(47.833,21.78) 47.833,32.774 v2(48.198,33.139)
CAM_SDA: CON1.14 M1.36 | length 36.1
  Top Layer w0.2: CON1.14@36.988,4.567 36.988,6.608 36.5,7.096 36.5,10.834 v2(46.966,21.3) ; M1.36@45.965,34.146 46.5,34.146 v2(46.97,34.616)
  Bottom Layer w0.2: v2(46.966,21.3) 47.339,21.673 47.339,34.247 v2(46.97,34.616)
CCS_AUX: R18.1 R19.1 U7.8 | length 9
  Top Layer w0.254: U7.8@3.937,48.106 3.937,47.244 5.588,45.593 R19.1@5.588,44.784 6.811,44.784 7.366,45.339 R18.1@7.366,48.34
CCS_INT: R16.2 U7.3 | length 4.1
  Top Layer w0.254: R16.2@2.159,53.594 2.159,52.8 2.421,52.538 2.997,52.538 3.937,51.598 U7.3@3.937,50.606
CCS_RESET: R23.1 U7.2 | length 3.3
  Top Layer w0.254: R23.1@3.81,53.594 3.81,52.705 4.537,51.978 U7.2@4.537,50.606
CCS_SENSE: R18.2 U7.4 U7.5 | length 11.3
  Top Layer w0.254: v1(1.778,51.943) 1.842,51.879 2.795,51.879 3.337,51.337 U7.4@3.337,50.606 ; 2.704,51.879 2.704,50.639 U7.5@2.737,50.606 ; R18.2@7.366,50.093 v1(7.366,51.943)
  Bottom Layer w0.254: v1(1.778,51.943) v1(7.366,51.943)
CCS_WAKE: R25.1 U7.7 | length 3.6
  Top Layer w0.254: U7.7@3.337,48.106 3.337,47.082 3.937,46.482 R25.1@3.937,44.759
E01_CE: M1.51 M2.2 | length 58.1
  Top Layer w0.2: v2(43.755,46.256) 43.383,46.628 41.068,46.628 40.56,47.136 40.56,73.216 42.797,75.453 44.173,76.829 53.588,76.829 M2.2@54.864,78.105 ; v2(47.627,37.752) 48.034,37.346 M1.51@49.045,37.346
  Bottom Layer w0.2: v2(43.755,46.256) 44.439,46.256 47.627,43.067 v2(47.627,37.752)